# Altium PCB EPS.PcbDoc (part 8 of 11)
Units mm, origin at the board's own origin, x right, y up, seen from the top; angles counter-clockwise.
Board outline 90.25 x 93.64 mm, 8 copper layers (Top Layer, PGND, Power, Control Signals 1, Control Signals 2, Signal 1, Signal 2, Bottom Layer), stack 1.637 mm thick; 941 components, 557 nets, 2694 pads, 869 vias.
Unrouted connection lines stored in the file: 2.
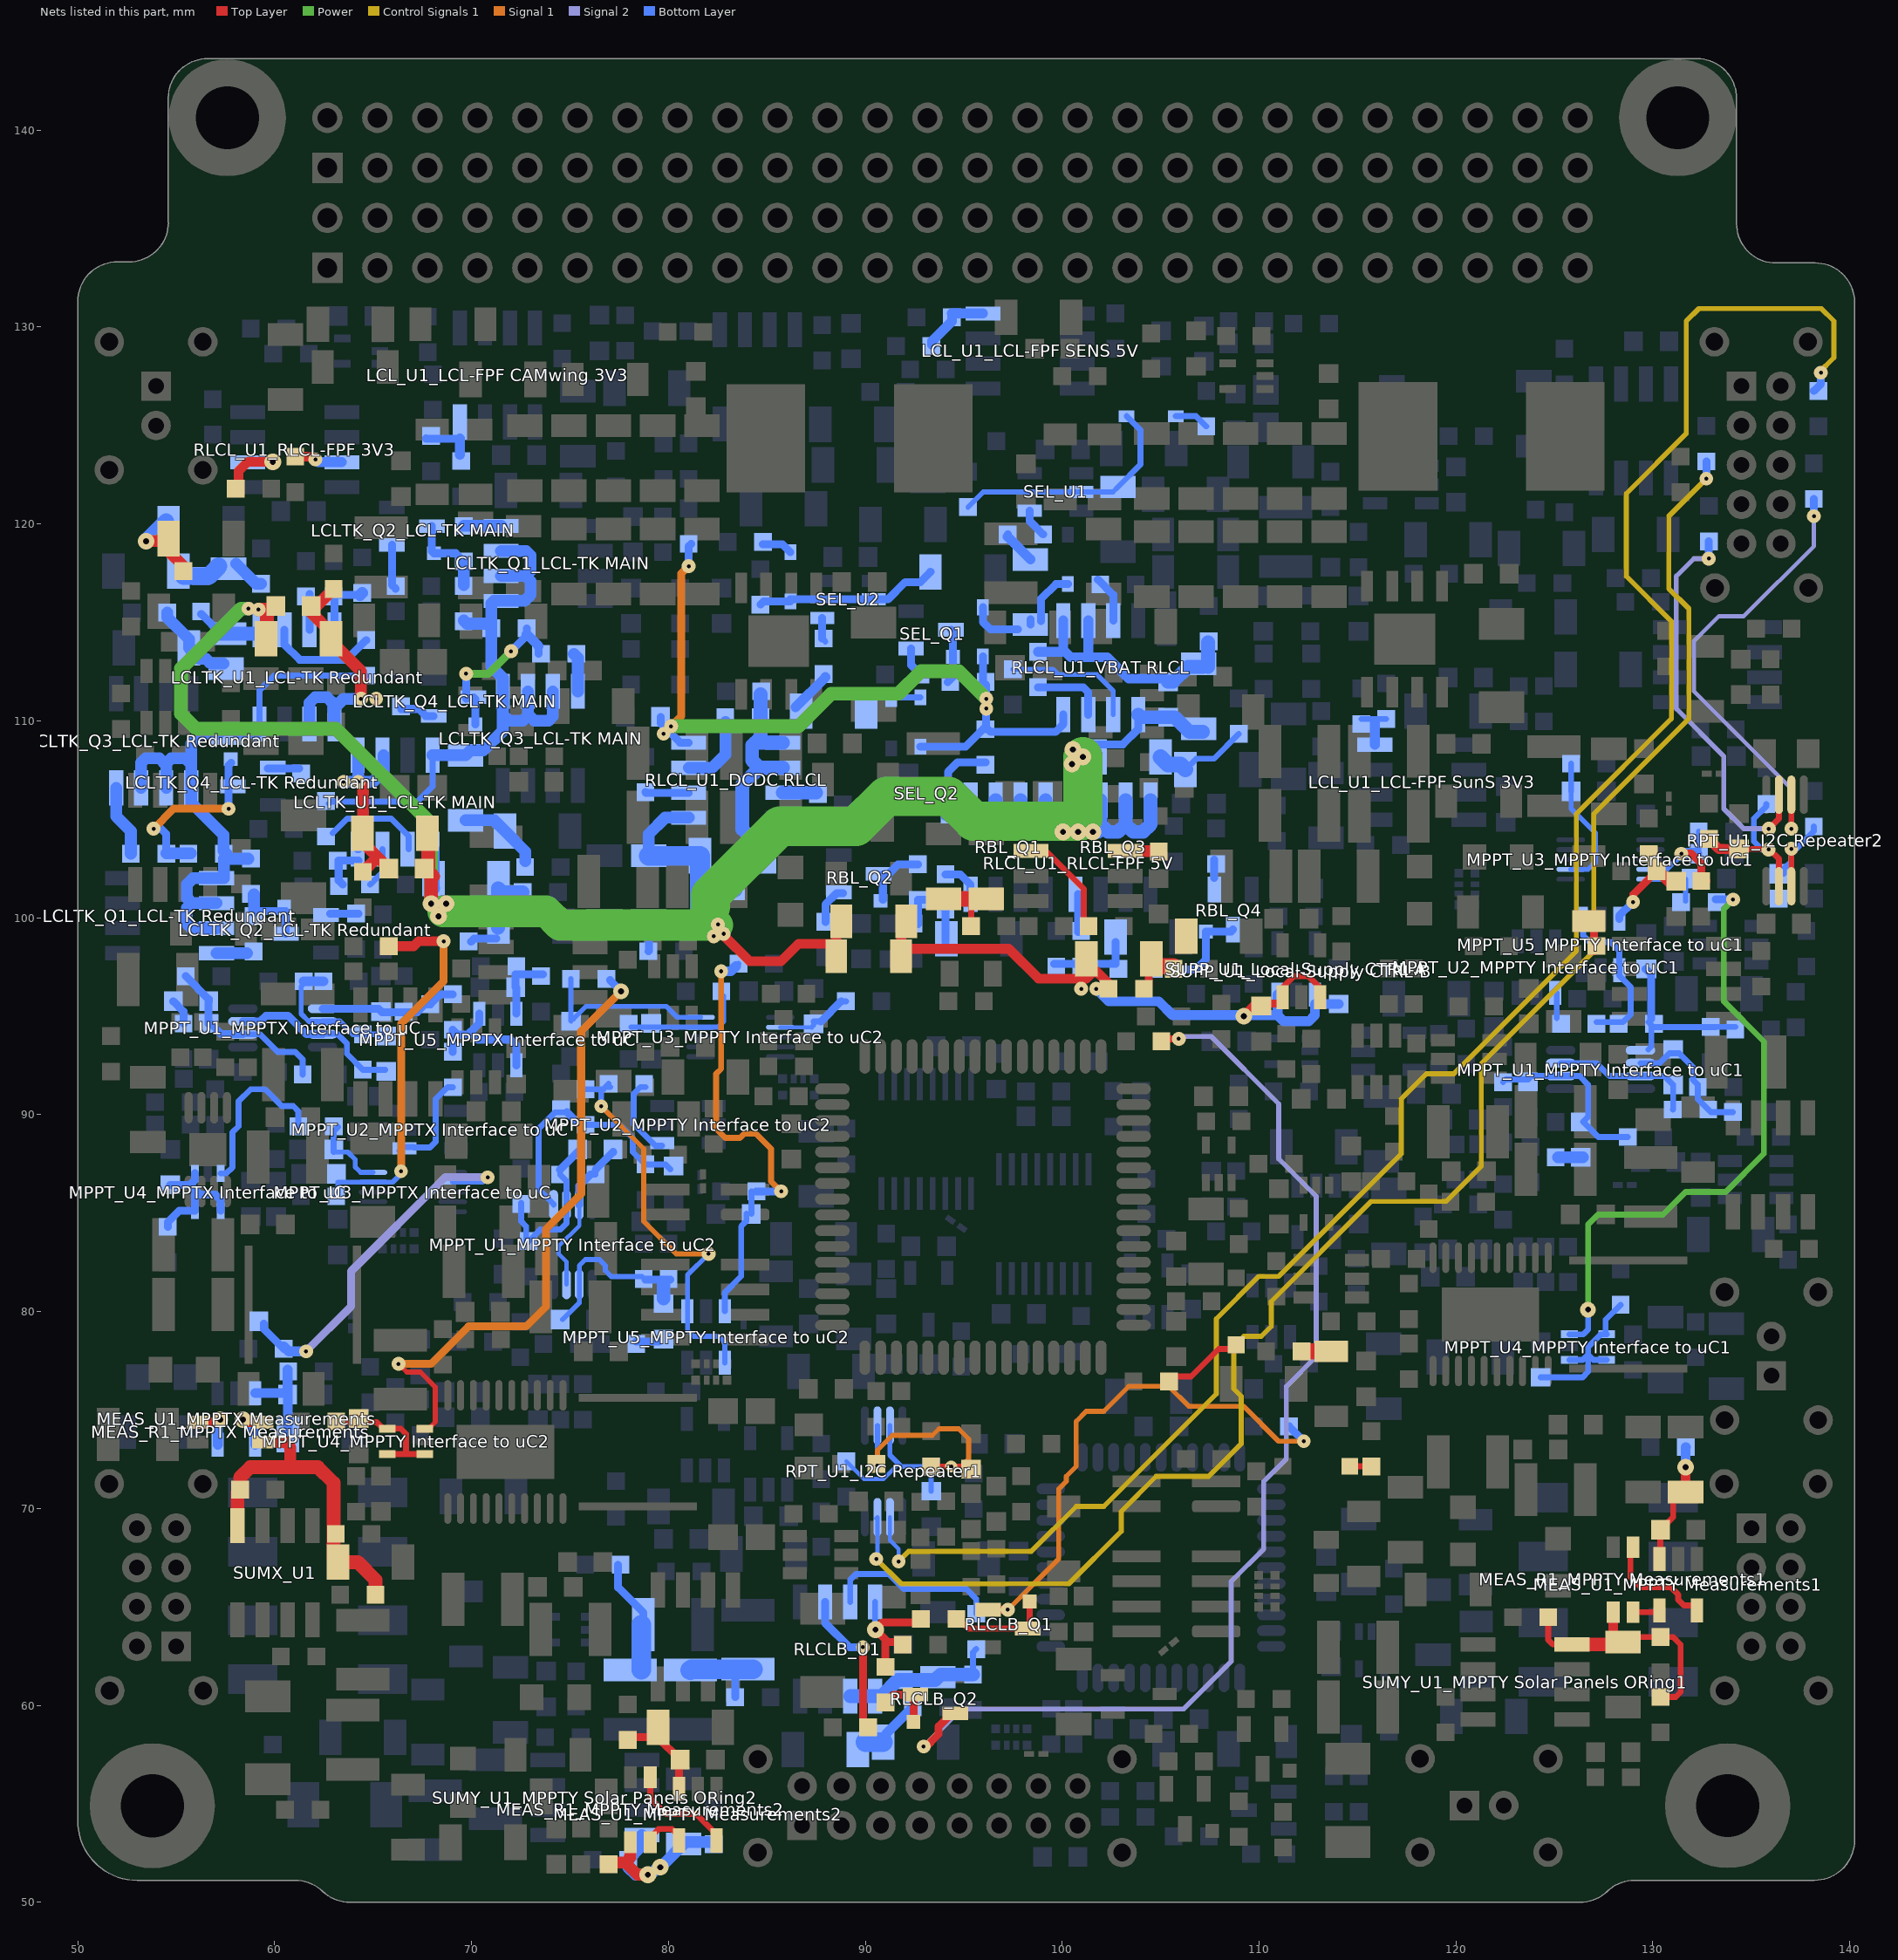
[diagram p14: the nets of this part, all layers, seen from the top]

## Via types
v1: diameter 0.7, hole 0.2, Top Layer to Bottom Layer, 431 vias
v2: diameter 0.85, hole 0.3, Top Layer to Bottom Layer, 345 vias
v3: diameter 0.6, hole 0.2, Top Layer to Bottom Layer, 62 vias
v4: diameter 0.8, hole 0.3, Top Layer to Bottom Layer, 19 vias
v5: diameter 0.75, hole 0.3, Top Layer to Bottom Layer, 7 vias
v6: diameter 1, hole 0.4, Top Layer to Bottom Layer, 2 vias
v7: diameter 0.7, hole 0.3, Top Layer to Bottom Layer, 2 vias
v8: diameter 1, hole 0.3, Top Layer to Bottom Layer, 1 vias

## Nets (pads, with @x,y where several pads share a name; then routed paths per layer and width w, separated by ;. In a path a pad name is that pad's centre, name@x,y a point inside that pad or via, vN(x,y) a via of type N, cw(c..) or ccw(c..) an arc to the next point about the centre after c; other vN are vias at no path point) (continued)
"NetLCL_R2_LCL-FPF CAMwing 3V3_2": "LCL_R2_LCL-FPF CAMwing 3V3.2" "LCL_R4_LCL-FPF CAMwing 3V3.1" "LCL_U1_LCL-FPF CAMwing 3V3.4" | length 2.5
  Bottom Layer w0.4: 67.691,124.344 67.702,124.333 69.41,124.333
  Bottom Layer w0.5: 69.41,123.51 69.41,124.333
"NetLCL_R2_LCL-FPF SENS 5V_2": "LCL_R2_LCL-FPF SENS 5V.2" "LCL_R4_LCL-FPF SENS 5V.1" "LCL_U1_LCL-FPF SENS 5V.4" | length 3.4
  Bottom Layer w0.5: 93.4,129.1 93.4,129.3 94.4,130.3 94.4,130.5 ; 94.39,130.69 95.98,130.69
"NetLCL_R2_LCL-FPF SunS 3V3_2": "LCL_R2_LCL-FPF SunS 3V3.2" "LCL_R4_LCL-FPF SunS 3V3.1" "LCL_U1_LCL-FPF SunS 3V3.4" | length 2.5
  Bottom Layer w0.3: 115.189,110.098 116.459,110.098
  Bottom Layer w0.5: 115.88,108.79 115.88,109.982
"NetLCLTK_C1_LCL-TK MAIN_1": "LCLTK_C1_LCL-TK MAIN.1" "LCLTK_C1_LCL-TK Redundant.1" "LCLTK_C4_LCL-TK MAIN.1" "LCLTK_C4_LCL-TK Redundant.1" "LCLTK_C6_LCL-TK MAIN.1" "LCLTK_C6_LCL-TK Redundant.1" "LCLTK_R16_LCL-TK MAIN.2" "LCLTK_R16_LCL-TK Redundant.2" "LCLTK_U1_LCL-TK MAIN.1" "LCLTK_U1_LCL-TK Redundant.1" "RLCL_C1_DCDC RLCL.1" "RLCL_C1_VBAT RLCL.1" "RLCL_C2_DCDC RLCL.1" "RLCL_C2_VBAT RLCL.1" "RLCL_C3_DCDC RLCL.1" "RLCL_C3_VBAT RLCL.1" "RLCL_U1_DCDC RLCL.1" "RLCL_U1_VBAT RLCL.1" LS_FB1.1 LS_FB2.1 RBL_Q1.D RBL_Q3.D | length 124.9
  Top Layer w0.5: v1(82.804,99.187) 82.804,99.111 84.125,97.79 85.725,97.79 86.614,98.679 88.265,98.679 LS_FB2.1@88.519,98.425 ; LS_FB2.1@88.52,98.044 LS_FB1.1@88.52,99.314
  Top Layer w0.6: LS_FB2.1@88.52,97.663 LS_FB2.1@88.52,98.044 ; LS_FB1.1@88.52,99.314 LS_FB1.1@88.774,99.568
  Top Layer w0.7: v1(59.182,115.659) 59.6,115.659 ; 59.6,113.8 59.6,115.659 ; 59.895,115.659 59.6,115.659 ; 67.8,104.3 67.8,102.65 67.65,102.5 68.05,102.1 ; v2(67.945,100.711) 67.945,102.045 68,102.1
  Power w0.7: v1(58.674,115.697) 58.293,115.697 55.245,112.649 55.245,110.363 56.007,109.601 63.119,109.601 67.945,104.775 v2(67.945,100.711)
  Power w1.6: v2@68.549,100.33 73.787,100.33 74.491,99.626 v1@82.481,99.626
  Power w2: 82.131,100.546 82.131,101.131 85.648,104.648 89.535,104.648 91.059,106.172 94.234,106.172 95.504,104.902 100.901,104.902 101.054,105.054 v2(101.054,108.166)
  Bottom Layer w0.4: 56.261,115.432 56.273,115.432 57.278,114.427 ; 68.05,101.5 68.066,101.484 ; v2(68.707,100.711) 68.834,100.584 69.977,100.584 ; 101.689,108.801 103.086,108.801 103.863,109.578 103.863,110.318
  Bottom Layer w0.6: 79,103.15 79,104.25 79.83,105.08 81.03,105.08
  Bottom Layer w0.7: 57.278,114.427 59.055,114.427 ; 68.02,103.48 68.02,101.53 68.05,101.5 ; RBL_Q1.D@95.344,105.974 95.344,104.732 95.72,104.356 96.228,104.356 96.614,104.742 ; RBL_Q1.D@96.614,105.974 96.614,104.742 ; RBL_Q1.D@97.884,105.974 97.884,104.732 ; RBL_Q1.D@99.154,105.974 99.154,104.742 ; RBL_Q3.D@100.678,105.974 v2@100.678,104.732 ; RBL_Q3.D@101.948,105.974 101.948,104.732 ; RBL_Q3.D@103.218,105.974 103.218,104.742 ; 103.863,110.318 103.994,110.187 105.372,110.187 105.713,110.187 106.463,109.437 107.15,109.437 ; RBL_Q3.D@104.488,105.974 104.488,104.742 104.102,104.356 103.604,104.356 103.218,104.742 ; 96.614,104.742 96.614,104.732 96.99,104.356 97.752,104.356 97.884,104.488 97.884,104.732 ; 97.884,104.732 98.26,104.356 98.768,104.356 99.154,104.742 ; 99.154,104.742 99.154,104.732 99.53,104.356 v2(100.038,104.356) 100.546,104.356 100.678,104.488 v2@100.678,104.732 ; v2@100.678,104.732 101.054,104.356 v2(101.562,104.356) 101.816,104.356 101.948,104.488 101.948,104.732 ; 101.948,104.732 102.324,104.356 102.832,104.356 103.218,104.742
  Bottom Layer w1: 79,103.15 81.6,103.15 81.6,101.4 81.6,100.3
  other v1: 82.296,99.06 82.512,99.657
  other v2: 68.326,100.076 100.8,104.356 100.5,107.8 100.546,108.547
"NetLCLTK_C1_LCL-TK MAIN_2": "LCLTK_C1_LCL-TK MAIN.2" "LCLTK_C3_LCL-TK MAIN.1" "LCLTK_R14_LCL-TK MAIN.2" "LCLTK_R16_LCL-TK MAIN.1" | length 4.9
  Bottom Layer w0.4: 69.977,98.784 70.126,98.933 71.247,98.933 ; 71.166,99.684 71.35,99.5
  Bottom Layer w0.7: 71.35,99.5 71.35,101.5 71.55,101.3 72.595,101.3
"NetLCLTK_C1_LCL-TK Redundant_2": "LCLTK_C1_LCL-TK Redundant.2" "LCLTK_C3_LCL-TK Redundant.1" "LCLTK_R14_LCL-TK Redundant.2" "LCLTK_R16_LCL-TK Redundant.1" | length 3.7
  Bottom Layer w0.6: 58.039,117.983 59.066,116.956 59.309,116.956
  Bottom Layer w0.9: 55.372,117.348 56.642,117.348 57.15,117.856
"NetLCLTK_C2_LCL-TK MAIN_1": "LCLTK_C2_LCL-TK MAIN.1" "LCLTK_Q1_LCL-TK MAIN.S" "LCLTK_Q3_LCL-TK MAIN.S" "LCLTK_R1_LCL-TK MAIN.2" "LCLTK_R4_LCL-TK MAIN.2" "LCLTK_R9_LCL-TK MAIN.2" "LCLTK_U1_LCL-TK MAIN.8" | length 32.3
  Bottom Layer w0.3: 62.75,105.8 62.85,105.9 67.2,105.9 ; 67.25,105.9 68.02,106.67 68.02,108.26
  Bottom Layer w0.6: 68.02,108.26 69.69,108.26 69.7,108.25 69.95,108.5 70.6,108.5 71.59,109.49 71.59,110.31 ; 69.6,115.1 69.765,114.935 70.765,114.935 71,114.7 ; 71.5,117.36 72.74,117.36 ; 71.5,118.63 72.77,118.63 73,118.4 73,117.6 72.76,117.36 72.74,117.36 ; 72.86,111.5 72.86,110.34 ; 74.13,111.5 74.13,110.23 73.9,110 73.2,110 72.86,110.34 ; 71,114.7 71,112.769 71.59,112.179 71.59,111.5 71.59,110.31 ; 71,114.7 71,115.958 71.132,116.09 71.5,116.09 72.69,116.09 73,116.4 73,117.1 72.74,117.36 ; 71.59,110.31 71.9,110 72.6,110 72.86,110.26 72.86,110.34
"NetLCLTK_C2_LCL-TK MAIN_2": "LCLTK_C2_LCL-TK MAIN.2" "LCLTK_C5_LCL-TK MAIN.1" "LCLTK_R15_LCL-TK MAIN.2" | length 4.2
  Bottom Layer w0.6: 69.7,104.95 71.15,104.95 71.7,104.4 72.733,103.367 72.733,102.867
"NetLCLTK_C2_LCL-TK Redundant_1": "LCLTK_C2_LCL-TK Redundant.1" "LCLTK_Q1_LCL-TK Redundant.S" "LCLTK_Q3_LCL-TK Redundant.S" "LCLTK_R1_LCL-TK Redundant.2" "LCLTK_R4_LCL-TK Redundant.2" "LCLTK_R9_LCL-TK Redundant.2" "LCLTK_U1_LCL-TK Redundant.8" | length 31.8
  Bottom Layer w0.3: 59.23,109.84 59.23,111.554 59.976,112.3 64.65,112.3 64.55,112.2
  Bottom Layer w0.6: 53.22,106.6 53.22,107.87 53.45,108.1 54.15,108.1 54.49,107.76 ; 54.49,106.6 54.49,107.76 ; 57.05,99.47 55.78,99.47 55.55,99.7 55.55,100.5 55.79,100.74 55.81,100.74 ; 57.05,100.74 55.81,100.74 ; 57.4,109.6 57.147,109.347 56.261,109.347 55.76,108.846 55.76,107.79 ; 57.55,103.251 57.404,103.397 57.404,104.203 55.76,105.847 55.76,106.6 55.76,107.79 ; 58.1,109.4 59.108,109.4 59.182,109.474 ; 58.674,102.997 57.433,102.997 57.433,102.01 57.05,102.01 55.86,102.01 55.55,101.7 55.55,101 55.81,100.74 ; 54.49,107.76 54.49,107.84 54.75,108.1 55.45,108.1 55.76,107.79
"NetLCLTK_C2_LCL-TK Redundant_2": "LCLTK_C2_LCL-TK Redundant.2" "LCLTK_C5_LCL-TK Redundant.1" "LCLTK_R15_LCL-TK Redundant.2" | length 4.3
  Bottom Layer w0.6: 54.55,115.5 54.55,115.249 55.65,114.149 55.65,113.7 56.193,113.157 56.515,113.157 56.772,112.9 57.4,112.9
"NetLCLTK_C4_LCL-TK MAIN_2": "LCLTK_C4_LCL-TK MAIN.2" "LCLTK_C6_LCL-TK MAIN.2" "LCLTK_R7_LCL-TK MAIN.2" "LCLTK_U1_LCL-TK MAIN.5" "LCLTK_U1_LCL-TK MAIN.6" | length 10.7
  Top Layer w0.6: v1@64.329,106.9 64.5,106.729 64.5,104.3 64.45,104.25 64.45,103.85 65.15,103.15 ; 64.478,102.335 65.15,103.007 65.15,103.15 ; 65.635,102.335 65.8,102.5 65.15,103.15
  Bottom Layer w0.6: v1(63.5,106.9) v1(64.25,106.9) 64.25,108.25 64.26,108.26 ; v1@64.329,106.9 64.99,106.9 65.53,107.44 65.53,108.26
"NetLCLTK_C4_LCL-TK Redundant_2": "LCLTK_C4_LCL-TK Redundant.2" "LCLTK_C6_LCL-TK Redundant.2" "LCLTK_R7_LCL-TK Redundant.2" "LCLTK_U1_LCL-TK Redundant.5" "LCLTK_U1_LCL-TK Redundant.6" | length 12.5
  Top Layer w0.6: 62.9,114.454 61.822,115.532 62.992,116.702 ; 62.95,114.2 62.95,113.961 64.389,112.522 v1(64.389,111.125)
  Bottom Layer w0.6: 61.77,109.84 61.77,110.92 62.05,111.2 62.65,111.2 62.992,110.858 62.992,110.109 ; 63.04,109.84 63.04,110.665 63.5,111.125 v1(64.389,111.125)
  other v1: 65.151,111.125
"NetLCLTK_Q1_LCL-TK MAIN_G": "LCLTK_Q1_LCL-TK MAIN.G" "LCLTK_R2_LCL-TK MAIN.2" | length 1.9
  Bottom Layer w0.6: 69.6,119.9 71.5,119.9
"NetLCLTK_Q1_LCL-TK Redundant_G": "LCLTK_Q1_LCL-TK Redundant.G" "LCLTK_R2_LCL-TK Redundant.2" | length 1.5
  Bottom Layer w0.6: 57.05,98.2 58.587,98.2
"NetLCLTK_Q2_LCL-TK MAIN_B": "LCLTK_Q2_LCL-TK MAIN.B" "LCLTK_R3_LCL-TK MAIN.1" | length 2.3
  Bottom Layer w0.4: 65.959,118.938 65.959,116.904 66.15,116.713
"NetLCLTK_Q2_LCL-TK MAIN_C": "LCLTK_Q2_LCL-TK MAIN.C" "LCLTK_Q2_LCL-TK MAIN.Shield" "LCLTK_R1_LCL-TK MAIN.1" "LCLTK_R2_LCL-TK MAIN.1" | length 4.3
  Bottom Layer w0.4: 67.984,119.888 67.984,118.613 68.084,118.513 69.187,118.513 69.6,118.1
  Bottom Layer w0.6: 69.6,116.9 69.6,118.1
"NetLCLTK_Q2_LCL-TK Redundant_B": "LCLTK_Q2_LCL-TK Redundant.B" "LCLTK_R3_LCL-TK Redundant.1" | length 1.4
  Bottom Layer w0.4: 62.825,100.2 64.25,100.2
"NetLCLTK_Q2_LCL-TK Redundant_C": "LCLTK_Q2_LCL-TK Redundant.C" "LCLTK_Q2_LCL-TK Redundant.Shield" "LCLTK_R1_LCL-TK Redundant.1" "LCLTK_R2_LCL-TK Redundant.1" | length 4.5
  Bottom Layer w0.4: 58.95,100.341 60.539,100.341 60.55,100.33 60.55,99.187
  Bottom Layer w0.6: 58.928,101.178 58.95,101.2 58.95,100.341 58.928,101.178
"NetLCLTK_Q3_LCL-TK MAIN_G": "LCLTK_Q3_LCL-TK MAIN.G" "LCLTK_R10_LCL-TK MAIN.2" | length 2
  Bottom Layer w0.6: 75.2,113.4 75.4,113.2 75.4,111.5
"NetLCLTK_Q3_LCL-TK Redundant_G": "LCLTK_Q3_LCL-TK Redundant.G" "LCLTK_R10_LCL-TK Redundant.2" | length 3.7
  Bottom Layer w0.6: 51.95,106.6 51.95,105.149 52.694,104.405 52.694,103.251
"NetLCLTK_Q4_LCL-TK MAIN_B": "LCLTK_Q4_LCL-TK MAIN.B" "LCLTK_R11_LCL-TK MAIN.1" | length 1.8
  Bottom Layer w0.4: 66.421,110.606 67.321,110.606 67.677,110.25 68.075,110.25
"NetLCLTK_Q4_LCL-TK MAIN_C": "LCLTK_Q4_LCL-TK MAIN.C" "LCLTK_Q4_LCL-TK MAIN.Shield" "LCLTK_R9_LCL-TK MAIN.1" "LCLTK_R10_LCL-TK MAIN.1" | length 8.2
  Power w0.4: v1(69.723,112.395) 70.866,112.395 v1(72.009,113.538)
  Bottom Layer w0.4: 69.723,111.125 v1(69.723,112.395) ; 70.1,111.2 70.2,111.1 70.2,109.825 ; v1(72.009,113.538) 72.8,114.329 72.8,114.398 72.8,114.7 ; 73.4,113.4 73.4,113.798
  Bottom Layer w0.5: 72.8,114.398 73.4,113.798
"NetLCLTK_Q4_LCL-TK Redundant_B": "LCLTK_Q4_LCL-TK Redundant.B" "LCLTK_R11_LCL-TK Redundant.1" | length 1.6
  Bottom Layer w0.4: 59.65,107.573 61.25,107.573
"NetLCLTK_Q4_LCL-TK Redundant_C": "LCLTK_Q4_LCL-TK Redundant.C" "LCLTK_Q4_LCL-TK Redundant.Shield" "LCLTK_R9_LCL-TK Redundant.1" "LCLTK_R10_LCL-TK Redundant.1" | length 9.6
  Signal 1 w0.4: v1(53.848,104.521) 54.864,105.537 v1(57.658,105.537)
  Bottom Layer w0.4: v1(53.848,104.521) 54.229,104.521 54.494,104.256 54.494,103.273 54.494,103.251 ; v1(57.658,105.537) 57.658,107.738 57.785,107.865
  Bottom Layer w0.6: 54.494,103.273 55.75,103.273
"NetLCLTK_R4_LCL-TK MAIN_1": "LCLTK_R4_LCL-TK MAIN.1" "LCLTK_U1_LCL-TK MAIN.2" | length 5.2
  Bottom Layer w0.3: 62.95,104.3 63.679,105.029 65.913,105.029 66.8,104.142 66.8,103.48
"NetLCLTK_R4_LCL-TK Redundant_1": "LCLTK_R4_LCL-TK Redundant.1" "LCLTK_U1_LCL-TK Redundant.2" | length 5.6
  Bottom Layer w0.4: 60.5,114.62 60.5,113.871 61.271,113.1 63.65,113.1 64.65,114.1
"NetLCLTK_R6_LCL-TK MAIN_2": "LCLTK_R6_LCL-TK MAIN.2" "LCLTK_R13_LCL-TK MAIN.1" "LCLTK_U1_LCL-TK MAIN.4" | length 2.3
  Bottom Layer w0.4: 63.45,101.7 63.25,101.9 63.25,102.9 64.262,102.9 ; 64.21,103.48 64.26,103.48
"NetLCLTK_R6_LCL-TK Redundant_2": "LCLTK_R6_LCL-TK Redundant.2" "LCLTK_R13_LCL-TK Redundant.1" "LCLTK_U1_LCL-TK Redundant.4" | length 3.2
  Bottom Layer w0.4: 63.04,114.62 63.04,116.39 64.34,116.39
  Bottom Layer w0.6: 64.34,116.39 64.45,116.5
"NetLCLTK_R8_LCL-TK MAIN_2": "LCLTK_R8_LCL-TK MAIN.2" "LCLTK_U1_LCL-TK MAIN.3" | length 2.1
  Bottom Layer w0.3: 64.848,101.689 65.48,102.321 65.48,103.48
"NetLCLTK_R8_LCL-TK Redundant_2": "LCLTK_R8_LCL-TK Redundant.2" "LCLTK_U1_LCL-TK Redundant.3" | length 1.8
  Bottom Layer w0.4: 61.77,114.62 61.77,116.448
NetLS_C1_1: "SUPP_C4_Local-Supply CTRL-A.1" "SUPP_C4_Local-Supply CTRL-B.1" "SUPP_U1_Local-Supply CTRL-A.1" "SUPP_U1_Local-Supply CTRL-A.3" "SUPP_U1_Local-Supply CTRL-B.1" "SUPP_U1_Local-Supply CTRL-B.3" LS_C1.1 LS_FB1.2 LS_FB2.2 LS_R2.1 | length 34.7
  Top Layer w0.3: 111.191,95.845 111.191,95.972 111.191,96.459 111.765,97.033 112.5,97.033 113.091,96.441 113.091,95.972 113.091,95.845
  Top Layer w0.4: 110.109,95.642 111.125,95.642
  Top Layer w0.5: LS_FB1.2@91.82,99.314 LS_FB2.2@91.82,98.044 92.201,98.425 97.282,98.425 98.806,96.901 101.219,96.901 LS_C1.1@101.473,97.155 ; LS_C1.1@101.474,97.917 101.474,97.535 102.351,96.658 LS_R2.1@102.351,96.393 LS_R2.1@102.351,96.266 ; v2(109.22,94.996) 109.739,95.515 110.07,95.629 110.109,95.642
  Top Layer w0.6: LS_FB1.2@91.82,99.314 LS_FB1.2@92.074,99.568
  Bottom Layer w0.5: v1(101.727,96.393) 102.362,95.758 104.902,95.758 105.603,95.057 110.937,95.057 ; 110.937,96.099 110.937,95.057 ; 114.046,95.62 112.837,95.62 112.837,95.057 112.522,94.742 111.252,94.742 110.937,95.057
  other v1: 100.965,96.393
NetLS_C1_2: LS_C1.2 LS_C2.1 LS_R2.2 LS_R4.1 | length 2.3
  Top Layer w0.4: LS_R2.2@104.394,96.636 LS_C1.2@104.394,97.536
  Top Layer w0.5: LS_R2.2@104.151,96.266 LS_R2.2@104.151,96.393 ; LS_C1.2@104.394,97.536 LS_C1.2@104.774,97.536
  Top Layer w0.8: LS_C1.2@104.774,97.536 LS_R4.1@105.653,97.536
NetLS_D1_K: LS_D1.K LS_R7.1 | length 4.2
  Top Layer w0.3: LS_R7.1@105.421,76.454 105.675,76.708 106.553,76.708 107.95,78.105 108.634,78.105 LS_D1.K@108.839,78.31
NetLS_D2_K: LS_D2.K LS_R8.2 | length 1.1
  Top Layer w0.3: LS_D2.K@114.603,72.136 115.686,72.136 LS_R8.2@115.697,72.125
"NetLS_FB1_Local-Supply CTRL-A_1": "LS_FB1_Local-Supply CTRL-A.1" "SUPP_R2_Local-Supply CTRL-A.2" | length 1.6
  Top Layer w0.4: 126.746,99.823 127,99.569 127,98.298
"NetLS_FB1_Local-Supply CTRL-B_1": "LS_FB1_Local-Supply CTRL-B.1" "SUPP_R2_Local-Supply CTRL-B.2" | length 1.3
  Top Layer w0.8: 112.152,77.977 113.411,77.977
"NetMEAS_C2_MPPTX Measurements_1": "MEAS_C2_MPPTX Measurements.1" "MEAS_C3_MPPTX Measurements.1" "MEAS_R3_MPPTX Measurements.2" "MEAS_U1_MPPTX Measurements.3" | length 4.9
  Bottom Layer w0.5: 59.012,75.861 60.577,75.861 ; 60.657,77.051 60.657,75.941 60.577,75.861 ; 60.669,73.749 60.669,75.769 60.657,75.781 60.577,75.861
"NetMEAS_C2_MPPTY Measurements1_1": "MEAS_C2_MPPTY Measurements1.1" "MEAS_C3_MPPTY Measurements1.1" "MEAS_R3_MPPTY Measurements1.2" "MEAS_U1_MPPTY Measurements1.3" | length 5.6
  Top Layer w0.3: 130.33,67.693 130.38,67.743 130.38,68.923 130.38,69.177 130.645,69.177 131.026,69.558 131.026,70.574
  Top Layer w0.5: 131.661,70.829 v2(131.661,72.098)
  Bottom Layer w0.5: v2(131.661,72.098) 131.661,73.103 131.672,73.114
"NetMEAS_C2_MPPTY Measurements2_1": "MEAS_C2_MPPTY Measurements2.1" "MEAS_C3_MPPTY Measurements2.1" "MEAS_R3_MPPTY Measurements2.2" "MEAS_U1_MPPTY Measurements2.3" | length 5.6
  Top Layer w0.4: 77.94,58.117 78.205,58.382 79.21,58.382 79.465,58.637 ; 79.465,59.144 79.465,58.89 79.465,58.637 ; 80.546,55.755 80.546,57.2 80.585,57.239 79.465,58.359 79.465,58.637
"NetMEAS_R1_MPPTX Measurements_1": "MEAS_R1_MPPTX Measurements.1" "MEAS_R2_MPPTX Measurements.1" SUMX_C1.1 SUMX_R1.1 SUMX_R2.1 SUMX_U1.8 | length 17.5
  Top Layer w0.6: 59.397,73.376 59.405,73.368 60.541,73.368 60.795,73.114 60.795,72.098
  Top Layer w0.7: SUMX_U1.8@58.113,69.124 58.113,70.824 SUMX_R1.1@58.244,70.955 58.244,71.579 58.763,72.098 60.795,72.098 62.192,72.098 62.992,71.298 62.992,67.489 SUMX_C1.1@63.209,67.272 64.224,67.272 65.124,66.372 SUMX_R2.1@65.124,65.621
"NetMEAS_R1_MPPTX Measurements_2": "MEAS_R1_MPPTX Measurements.2" "MEAS_U1_MPPTX Measurements.4" | length 2.6
  Top Layer w0.5: v2(58.382,74.511) 58.509,74.384 59.389,74.384 59.397,74.376
  Bottom Layer w0.5: v2(58.382,74.511) 59.012,73.881 59.012,73.241
"NetMEAS_R1_MPPTX Measurements_3": "MEAS_R1_MPPTX Measurements.3" "MEAS_U1_MPPTX Measurements.5" | length 2.5
  Top Layer w0.5: 56.097,74.376 57.104,74.376 v2(57.239,74.511)
  Bottom Layer w0.5: 57.112,73.241 57.112,74.384 v2(57.239,74.511)
"NetMEAS_R1_MPPTY Measurements1_1": "MEAS_R1_MPPTY Measurements1.1" "MEAS_R2_MPPTY Measurements1.1" "SUMY_C1_MPPTY Solar Panels ORing1.1" "SUMY_R1_MPPTY Solar Panels ORing1.1" "SUMY_R2_MPPTY Solar Panels ORing1.1" "SUMY_U1_MPPTY Solar Panels ORing1.8" | length 13.3
  Top Layer w0.3: 124.687,64.478 124.687,63.324 124.915,63.096 125.893,63.096 ; 128.486,63.207 128.752,63.473 130.391,63.473 131.015,63.473 131.407,63.081 131.407,60.668 131.164,60.425 130.391,60.425
  Top Layer w0.5: 127.986,63.462 127.986,64.733 127.986,64.987
  Top Layer w0.7: 125.893,63.096 128.375,63.096 128.486,63.207
"NetMEAS_R1_MPPTY Measurements1_2": "MEAS_R1_MPPTY Measurements1.2" "MEAS_U1_MPPTY Measurements1.4" | length 1.5
  Top Layer w0.3: 128.994,64.732 130.264,64.732 130.294,64.83 130.33,64.946
"NetMEAS_R1_MPPTY Measurements1_3": "MEAS_R1_MPPTY Measurements1.3" "MEAS_U1_MPPTY Measurements1.5" | length 5.9
  Top Layer w0.3: 128.859,68.287 128.859,66.518 129.375,66.002 130.899,66.002 131.28,65.621 131.28,65.367 131.574,65.073 132.23,65.073
"NetMEAS_R1_MPPTY Measurements2_1": "MEAS_R1_MPPTY Measurements2.1" "MEAS_R2_MPPTY Measurements2.1" "SUMY_C1_MPPTY Solar Panels ORing2.1" "SUMY_R1_MPPTY Solar Panels ORing2.1" "SUMY_R2_MPPTY Solar Panels ORing2.1" "SUMY_U1_MPPTY Solar Panels ORing2.8" | length 10.2
  Top Layer w0.6: 76.924,52.021 77.802,52.021 ; 78.075,53.049 78.075,52.294 77.802,52.021 ; v2(78.956,51.397) 78.426,51.397 77.802,52.021
  Bottom Layer w0.6: 77.951,51.778 78.332,51.397 v2(78.956,51.397) 79.083,51.397 79.464,51.778 v2(79.591,51.778) 80.862,53.049 82.296,53.049 ; 77.951,52.159 78.649,52.857 78.649,53.414
"NetMEAS_R1_MPPTY Measurements2_2": "MEAS_R1_MPPTY Measurements2.2" "MEAS_U1_MPPTY Measurements2.4" | length 2.3
  Top Layer w0.3: 79.075,53.049 79.075,53.294 79.502,53.721 80.188,53.721 80.546,53.363 80.546,53.135
"NetMEAS_R1_MPPTY Measurements2_3": "MEAS_R1_MPPTY Measurements2.3" "MEAS_U1_MPPTY Measurements2.5" | length 5.5
  Top Layer w0.3: 79.075,56.349 79.075,55.291 79.883,54.483 81.407,54.483 82.446,53.444 82.446,53.135
"NetMPPT_C1_MPPTX Interface to uC_1": "MPPT_C1_MPPTX Interface to uC.1" "MPPT_R1_MPPTX Interface to uC.1" "MPPT_R2_MPPTX Interface to uC.2" "MPPT_R3_MPPTX Interface to uC.2" "MPPT_U1_MPPTX Interface to uC.6" | length 7.4
  Bottom Layer w0.254: 61.543,96.71 61.341,96.509 61.341,95.123 61.73,94.734 62.432,94.734
  Bottom Layer w0.3: 62.432,94.734 63.305,94.734 63.959,94.08 64.478,94.08 65.621,94.08
  Bottom Layer w0.5: 61.479,96.774 62.473,96.774
"NetMPPT_C1_MPPTX Interface to uC_2": "MPPT_C1_MPPTX Interface to uC.2" "MPPT_R2_MPPTX Interface to uC.1" "MPPT_U1_MPPTX Interface to uC.3" "MPPT_U1_MPPTX Interface to uC.7" | length 8.9
  Bottom Layer w0.3: 62.41,94.106 63.171,94.106 63.675,93.602 63.675,93.083 64.478,92.28 65.621,92.28
  Bottom Layer w0.4: 58.382,94.734 59.273,94.734 59.563,95.024 60.678,95.024 61.618,94.084 62.432,94.084 62.41,94.106
"NetMPPT_C1_MPPTY Interface to uC1_1": "MPPT_C1_MPPTY Interface to uC1.1" "MPPT_R1_MPPTY Interface to uC1.1" "MPPT_R2_MPPTY Interface to uC1.2" "MPPT_R3_MPPTY Interface to uC1.2" "MPPT_U1_MPPTY Interface to uC1.6" | length 6.8
  Bottom Layer w0.3: 129.368,92.616 130.335,92.616 130.841,93.122 131.338,93.122 132.042,92.418 132.042,91.772 132.285,91.529 ; 132.285,91.402 132.285,90.789 132.815,90.259 132.942,90.132 134.063,90.132
"NetMPPT_C1_MPPTY Interface to uC1_2": "MPPT_C1_MPPTY Interface to uC1.2" "MPPT_R2_MPPTY Interface to uC1.1" "MPPT_U1_MPPTY Interface to uC1.3" "MPPT_U1_MPPTY Interface to uC1.7" | length 7.4
  Bottom Layer w0.3: 125.318,92.616 127.145,92.616 127.795,91.966 129.368,91.966 130.578,91.966 131.026,91.518 131.026,90.27 131.015,90.259
"NetMPPT_C1_MPPTY Interface to uC2_1": "MPPT_C1_MPPTY Interface to uC2.1" "MPPT_R1_MPPTY Interface to uC2.1" "MPPT_R2_MPPTY Interface to uC2.2" "MPPT_R3_MPPTY Interface to uC2.2" "MPPT_U1_MPPTY Interface to uC2.6" | length 8.6
  Bottom Layer w0.3: 72.517,85.522 72.517,85.46 72.517,84.582 72.771,84.328 72.771,83.577 ; 72.84,83.508 73.495,84.163 74.511,84.163 74.821,84.473 74.821,85.426 74.821,86.636 74.5,86.957 74.5,87.211
  Bottom Layer w0.4: 74.5,87.211 75.389,88.1
"NetMPPT_C1_MPPTY Interface to uC2_2": "MPPT_C1_MPPTY Interface to uC2.2" "MPPT_R2_MPPTY Interface to uC2.1" "MPPT_U1_MPPTY Interface to uC2.3" "MPPT_U1_MPPTY Interface to uC2.7" | length 8.2